# Altium PCB MB1404.PcbDoc (part 2 of 7) (continued)
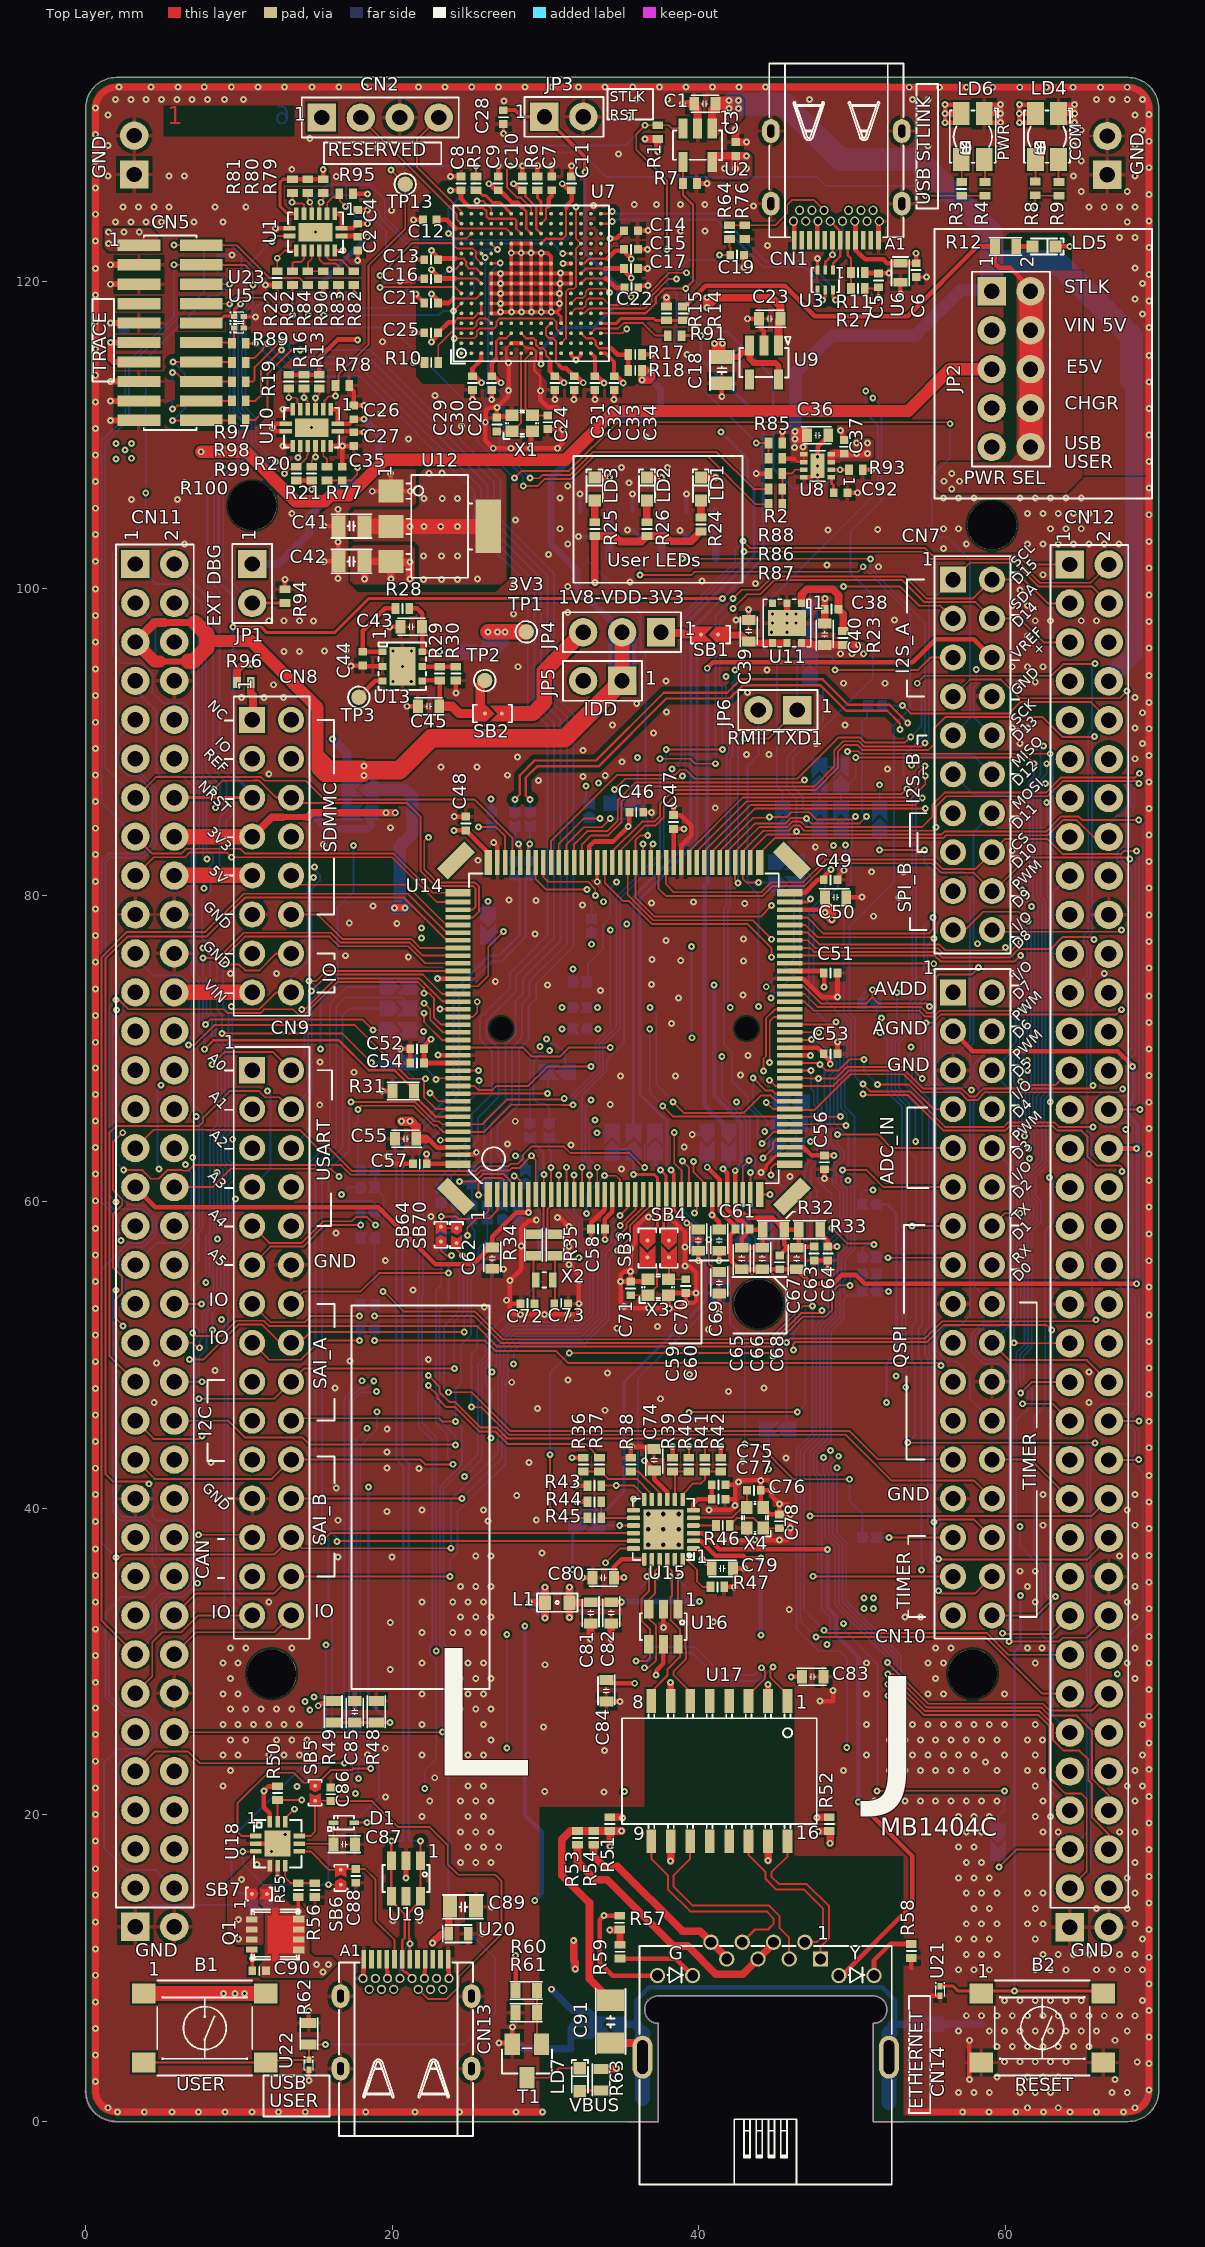
[diagram p0: Top Layer view]
## Part data (continued)
SB1 SB2 SB3 SB4 SB10 SB11 SB12 SB14 SB15 SB16 SB17 SB18 SB19 SB23 SB24 SB25 SB29 SB30 SB32 SB34 SB37 SB39 SB40 SB41 SB42 SB43 SB46 SB47 SB48 SB49 SB50 SB51 SB58 SB59 SB62 SB69 SB72 SB74 SB76 SB77: library part MCD-00071, "Solder Bridge ON", Manufacturer=YAGEO, Manufacturer_Part_Number=RC0603JR-070RL, Package=SB0603, ComponentLink1Description=Datasheet, ComponentLink1URL=http://tunmcdsvn.tun.st.com/Component_Datasheet_Library/Trunk/Resistors/Yageo_Resistor_RC0603-series, ECCN_EU=n/a, ECCN_US=n/a, Internal_Part_Number=MCD-00071, Part_Type=Mechanical, Provided_By=SUBCO, Status=Released
SB5 SB6 SB7 SB8 SB9 SB13 SB20 SB21 SB22 SB26 SB27 SB28 SB31 SB33 SB35 SB36 SB38 SB44 SB45 SB52 SB53 SB54 SB55 SB56 SB57 SB60 SB61 SB63 SB64 SB65 SB66 SB67 SB68 SB70 SB71 SB73 SB75 SB78 SB79 SB80 SB81 SB82 SB83 SB84: library part MCD-01618, "Solder Bridge 0402 ON", Manufacturer=YAGEO, Manufacturer_Part_Number=RC0402JR-070RL, Package=SB0402, ComponentLink1Description=Datasheet, ComponentLink1URL=http://tunmcdsvn.tun.st.com/Component_Datasheet_Library/Trunk/Resistors/Yageo_Resistor_RC0402-series, ECCN_EU=n/a, ECCN_US=n/a, Internal_Part_Number=MCD-01618, Part_Type=Mechanical, Provided_By=SUBCO, Status="Footprint available"
TP1 TP2 TP3 TP13: library part MCD-00074, "Test Point 1mm", Manufacturer=n/a, ComponentLink1Description=Datasheet, ComponentLink1URL=http://na, Internal_Part_Number=MCD-00074, Manufacturer_Part_Number=n/a, Part_Type=Mechanical, Provided_By=n/a, Status=Released
  TP1 TP2 TP3: ECCN_EU=n/a, ECCN_US=n/a
U1 U10: library part MCD-01945, "4-bit dual supply translating transceiver with configurable voltage translation; 3-state", Alternate_Manufacturer=N/A, Manufacturer=NEXPERIA, Manufacturer_Part_Number=74AVC4TD245BQ,115, Package=DHVQFN16, ComponentLink1URL="http://tunmcdsvn.tun.st.com/Component_Datasheet_Library/Trunk/IC/NEXPERIA_dual supply transceiver_74AVC4TD245", Internal_Part_Number=MCD-01945, Order_Code_Digikey=1727-6899-1-ND, Order_Code_Farnell=N/A, Order_Code_RS=N/A, Part_Preference=Recommended, Part_Type=IC, Status=Released
U2: library part MCD-00159, "500mA, Enhanced single channel power switches with active high enable pin", Alternate_Manufacturer="TEXAS INSTRUMENTS", Alternate_Manufacturer_Part_Number=TPS2051C, Manufacturer=STMICROELECTRONICS, BMS_Part_Number=9159009, ComponentLink1Description=Datasheet, ComponentLink1URL=http://tunmcdsvn.tun.st.com/Component_Datasheet_Library/Trunk/IC/STM_PWR-Switch_STMPS2151STR, Initial_Board_Reference=MB1264, Internal_Part_Number=MCD-00159, Manufacturer_Part_Number=STMPS2151STR, Part_Type=IC, Provided_By=Subcon, Status=Checked
U3: library part MCD-00649, "Common mode filter with ESD protection for USB 2.0 interface", Manufacturer=STMICROELECTRONICS, Manufacturer_HQ_COO=EU, BMS_Part_Number=9151138, Component_Country_Of_Origin=China, ComponentLink1URL=http://tunmcdsvn.tun.st.com/Component_Datasheet_Library/Trunk/Diodes/STM_ESD_ECMF02-2AMX6, ID=3094, Internal_Part_Number=MCD-00649, Manufacturer_Part_Number=ECMF02-2AMX6, Part_Preference=Recommended, Part_Type=Diode, ShowFields=YES, Status=Released
U4 U24: library part MCD-00136, "Dual Transil array for ESD protection", Manufacturer=STMICROELECTRONICS, Manufacturer_HQ_COO=EU, BMS_Part_Number=9151112, Component_Country_Of_Origin=China, ComponentLink1URL=http://tunmcdsvn.tun.st.com/Component_Datasheet_Library/Trunk/Diodes/STM_ESD_ESDALC6V1W5, Internal_Part_Number=MCD-00136, Manufacturer_Part_Number=ESDALC6V1W5, Part_Preference=Recommended, Part_Type=Diode, Status=Released
U5 U23: library part MCD-00170, "ESD protection 6V1", Manufacturer=STMICROELECTRONICS, Manufacturer_HQ_COO=EU, Manufacturer_Part_Number=ESDALC6V1-1U2, BMS_Part_Number=9151132, Component_Country_Of_Origin=China, ComponentLink1URL=http://tunmcdsvn.tun.st.com/Component_Datasheet_Library/Trunk/Diodes/STM_ESD_ESDALC6V1-1U2, ID=2696, Internal_Part_Number=MCD-00170, Part_Preference=Recommended, Part_Type=Diode, ShowFields=YES, Status=Released
U6 U20: library part MCD-01207, "High power Transient voltage suppressor:25V/35A EOS and ESD transients protection.", Manufacturer=STMICROELECTRONICS, Manufacturer_Part_Number=ESDA25P35-1U1M, Package=QFN1610, BMS_Part_Number=9179045, ComponentLink1Description=Datasheet, ComponentLink1URL=http://tunmcdsvn.tun.st.com/Component_Datasheet_Library/Trunk/Diodes/STM_ESD_ESDA25P35-1U1M, ECCN_EU=NEC, ECCN_US=EAR99, Internal_Part_Number=MCD-01207, Part_Type=Diode, Provided_By="SUBCO with ST control", Status=Checked
U7: library part MCD-02706, "MCU, Arm Cortex-M7 32-bit MCU, 512KB Flash, 276KB RAM, With Crypto", Manufacturer=STMICROELECTRONICS, Manufacturer_Part_Number=STM32F723IEK6, Package=BGA176, BMS_Part_Number=9175300, ComponentLink1URL=http://tunmcdsvn.tun.st.com/Component_Documentation_Library/IC/STMICROELECTRONICS_STM32F723IEK6, ID=4812, Internal_Part_Number=MCD-02706, Order_Code_Digikey=497-17186-ND, Order_Code_Farnell=2725149, Order_Code_RS=135-8241, Part_Preference=Recommended, Part_Type=IC, ShowFields=YES, Status=Checked
U8: library part MCD-02532, "eFuse with Fast Overvoltage Protection 2.7V to 18V 4A 34mOhm 8-Pin WSON", Manufacturer="TEXAS INSTRUMENTS", Package=WSON8, ComponentLink1URL=http://tunmcdsvn.tun.st.com/Component_Datasheet_Library/Trunk/IC/TI_eFuse_tps2595/TI_eFuse_tps2595.pdf, Internal_Part_Number=MCD-02532, Manufacturer_Part_Number=TPS259535DSG, Order_Code_Digikey=N/A, Order_Code_Farnell=NA, Order_Code_RS=NA, Part_Preference=Recommended, Part_Type=IC, Status=New
U9: library part MCD-02514, "LDO, 3.3V, 300mA, High input voltage: 2.5V to 28V, SOT23-5L", Alternate_Manufacturer=N/A, Manufacturer=STMICROELECTRONICS, Package=SOT23-5L, Alternate_Manufacturer_Part_Number=N/A, BMS_Part_Number=N/A, ComponentLink1URL=http://tunmcdsvn.tun.st.com/Component_Documentation_Library/Trunk/IC/STMICROELECTRONICS_ST730M33R, Internal_Part_Number=MCD-02514, Manufacturer_Part_Number=ST730M33R, Order_Code_Digikey=N/A, Order_Code_Farnell=N/A, Order_Code_RS=N/A, Part_Preference=Recommended, Part_Type=IC, Status=New
U11: library part MCD-01025, "LDO, 3.3V, 1.3A, Very low quiescent current BiCMOS voltage regulator", Manufacturer=STMICROELECTRONICS, Package=DFN6-3x3, BMS_Part_Number=9176246, ComponentLink1Description=Datasheet, ComponentLink1URL=http://tunmcdsvn.tun.st.com/Component_Datasheet_Library/Trunk/IC/STM_LDO_ST1L05CPU33R, ECCN_EU=NEC, ECCN_US=EAR99, Internal_Part_Number=MCD-01025, Manufacturer_Part_Number=ST1L05CPU33R, Part_Type=IC, Provided_By="SUBCO with ST control", Status=Released
U12: library part MCD-00088, "IC REG LDO 5V 0.8A SOT223", Manufacturer=STMICROELECTRONICS, Package=SOT-223, BMS_Part_Number=9176133, ComponentLink1Description=Datasheet, ComponentLink1URL=http://tunmcdsvn.tun.st.com/Component_Datasheet_Library/Trunk/IC/STM_LDO_LD1117, ECCN_EU=NEC, ECCN_US=EAR99, Internal_Part_Number=MCD-00088, Manufacturer_Part_Number=LD1117S50TR, Part_Type=IC, Provided_By="SUBCO with ST control", Status=Released
U13: library part MCD-00581, "LDO Linear Voltage Regulator IC Positive Adjustable 1 Output Adjustable 1.3A 6-DFN (3x3)", Manufacturer=STMICROELECTRONICS, Package="DFN6 (3x3)", BMS_Part_Number=9176239, ComponentLink1Description=Datasheet, ComponentLink1URL=http://tunmcdsvn.tun.st.com/Component_Datasheet_Library/Trunk/IC/STM_LDO_ST1L05BPUR, ECCN_EU=NEC, ECCN_US=EAR99, Internal_Part_Number=MCD-00581, Manufacturer_Part_Number=ST1L05BPUR, Part_Type=IC, Provided_By="SUBCO with ST control", Status=Released
U14: library part MCD-02359, "STM32H563ZIT6, LQFP144 package, 20x20", Manufacturer=STMICROELECTRONICS, Package=LQFP144, ComponentLink1Description=Datasheet, ComponentLink1URL=http://tunmcdsvn.tun.st.com/Component_Datasheet_Library/Trunk/IC/STM_STM32L552ZET6QU, Internal_Part_Number=MCD-02359, Manufacturer_Part_Number=STM32H563ZIT6, Part_Preference=Recommended, Part_Type=IC, Status=New
U15: library part MCD-00719, "10/100M RMII Ethernet transceiver", Manufacturer=MICROCHIP, ComponentLink1Description=Datasheet, ComponentLink1URL=http://tunmcdsvn.tun.st.com/Component_Datasheet_Library/Trunk/IC/MICROCHIP_LAN8742A_RMII_PHY, ECCN_EU=n/a, ECCN_US=n/a, Internal_Part_Number=MCD-00719, Manufacturer_Part_Number=LAN8742A-CZ-TR, Part_Type=IC, Provided_By=SUBCO, Status=Released
U16: library part MCD-00250, "Very low capacitance ESD protection , 4 lines", Manufacturer=STMICROELECTRONICS, BMS_Part_Number=9151001, ComponentLink1Description=Datasheet, ComponentLink1URL=http://tunmcdsvn.tun.st.com/Component_Datasheet_Library/Trunk/Diodes/STM_ESD_USBLC6-4SC6, ECCN_EU=NEC, ECCN_US=EAR99, Internal_Part_Number=MCD-00250, Manufacturer_Part_Number=USBLC6-4SC6, Part_Type=IC, Provided_By="SUBCO with ST control", Status=Released
U17: library part MCD-00718, "Discrete Magnetic Transformer Module, 16 pins, SMT, 100 Base-TX", Manufacturer="DONGGUAN KEYOUDA ELECTRONIC TECHNOLOGY", ComponentLink1Description=Datasheet, ComponentLink1URL=http://tunmcdsvn.tun.st.com/Component_Datasheet_Library/Trunk/IC/DGKYD_KMS-1102NL, ECCN_EU=n/a, ECCN_US=n/a, Internal_Part_Number=MCD-00718, Manufacturer_Part_Number=KMS-1102NL, Part_Type=IC, Provided_By=SUBCO, Status=Released
U18: library part MCD-01809, "USB Type-C Port Protection for USB Power Delivery, PPS compliant", Manufacturer=STMICROELECTRONICS, Package=QFN-12L, BMS_Part_Number=9151145, ComponentLink1Description=Datasheet, ComponentLink1URL=http://tunmcdsvn.tun.st.com/Component_Datasheet_Library/Trunk/IC/STM_UCPD_Protection_TCPP01-M12, ECCN_EU=NEC, ECCN_US=EAR99, Internal_Part_Number=MCD-01809, Manufacturer_Part_Number=TCPP01-M12, Part_Type=IC, Provided_By="SUBCO with ST control", Status=Checked
U19: library part MCD-00163, "Very low capacitance ESD protection", Manufacturer=STMICROELECTRONICS, BMS_Part_Number=9151075, ComponentLink1Description=Datasheet, ComponentLink1URL=http://tunmcdsvn.tun.st.com/Component_Datasheet_Library/Trunk/Diodes/STM_ESD_USBLC6-2, ECCN_EU=NEC, ECCN_US=EAR99, Internal_Part_Number=MCD-00163, Manufacturer_Part_Number=USBLC6-2SC6, Part_Type=IC, Provided_By="SUBCO with ST control", Status=Released
U21 U22: library part MCD-00170, "ESD protection 6V1", Manufacturer=STMICROELECTRONICS, Manufacturer_Part_Number=ESDALC6V1-1U2, BMS_Part_Number=9151132, ComponentLink1Description=Datasheet, ComponentLink1URL=http://tunmcdsvn.tun.st.com/Component_Datasheet_Library/Trunk/Diodes/STM_ESD_ESDALC6V1-1U2, ECCN_EU=NEC, ECCN_US=EAR99, Internal_Part_Number=MCD-00170, Part_Type=Diode, Provided_By="SUBCO with ST control", Status=Released
X1: library part MCD-01036, "Crystal, 24MHz, 6pF, +/-20ppm, 80R, 2x1.6mm", Manufacturer=NDK, Manufacturer_Part_Number=NX2016SA-24MHZ-EXS00A-CS10820, Package=2x1.6mm, BMS_Part_Number=9157045, Component_Country_Of_Origin=Unknown, ComponentLink1URL=http://tunmcdsvn.tun.st.com/Component_Documentation_Library/Trunk/Crytal_Oscillator/NDK_NX2016SA_Series, Internal_Part_Number=MCD-01036, Order_Code_Digikey=644-1365, Order_Code_Farnell=N/A, Order_Code_RS=N/A, Part_Preference=Recommended, Part_Type=Crystal_Osc, Status=Released
X2: library part MCD-02291, "Crystal, 32.768kHz, 9pF, +/-20ppm, 70KR, 1.6x1mm", Manufacturer=NDK, Manufacturer_Part_Number=NX1610SE-32.768KHZ-EXS00A-MU01499, Package=1.6x1mm, Component_Country_Of_Origin=Unknown, ComponentLink1URL="http://tunmcdsvn.tun.st.com/Component_Datasheet_Library/Trunk/Crystal_Osc/NDK_NX1610SE 32.768KHz EXS00A-MU01499", ID=4391, Internal_Part_Number=MCD-02291, Order_Code_Digikey=N/A, Order_Code_Farnell=N/A, Order_Code_RS=N/A, Part_Preference=Recommended, Part_Type=Crystal_Osc, ShowFields=YES, Status=Released
X3 X4: library part MCD-01364, "Crystal 25MHz, 6pF, +-20ppm, 80ohms max, SMD", Manufacturer=NDK, Manufacturer_Part_Number="NX2016SA 25MHz EXS00A-CS11321", Package=NX2016SA, BMS_Part_Number=9157044, ComponentLink1Description=Datasheet, ComponentLink1URL="http://tunmcdsvn.tun.st.com/Component_Datasheet_Library/Trunk/Crystal_Osc/NDK_NX2016SA 25MHz EXS00A-CS11321 (EXS10B-28187)", ECCN_EU=NEC, ECCN_US=EAR99, Internal_Part_Number=MCD-01364, Order_Code_Digikey=644-1367, Part_Type=Crystal_Osc, Provided_By=SUBCO, Status=Released

## Free pads (board coordinates)
  round 3.2 hole 3.2 unplated: 0(10.866,105.409) 0(12.136,29.209) 0(43.886,53.339) 0(57.856,29.209) 0(59.126,104.139)

## Via types
v1: diameter 0.45, hole 0.2, Top Layer to Bottom Layer, tented both sides, 1737 vias
v2: diameter 0.6, hole 0.3, Top Layer to Bottom Layer, tented both sides, 9 vias

## Nets (pads, with @x,y where several pads share a name; then routed paths per layer and width w, separated by ;. In a path a pad name is that pad's centre, name@x,y a point inside that pad or via, vN(x,y) a via of type N, cw(c..) or ccw(c..) an arc to the next point about the centre after c; other vN are vias at no path point)
1V8: JP4.3 SB2.2 | length 8.5
  Top Layer w0.6: 27.3,91.85 27.525,91.85
  Top Layer w1: 27.525,91.85 29.175,91.85 29.925,92.6 29.925,94.623 JP4.3@32.456,97.154
3V3: CN8.7 CN11.16 JP4.1 L1.2 R24.2 R25.2 R26.2 R63.2 SB1.2 SB11.1 SB25.1 SB26.1 TP1.1 | length 83.7
  Top Layer w0.4: 12.845,85.089 14.501,85.089
  Top Layer w0.5: CN8.7@10.866,83.819 12.136,85.089 12.845,85.089 ; 14.501,85.089 14.791,85.379 19.166,85.379 v1@20.2,85.379 ; v1(28.966,33.854) L1.2@29.966,33.854 ; v1(29.966,32.854) L1.2@29.966,33.854 ; v1(29.966,34.854) L1.2@29.966,33.854 ; v1(33.225,100.4) 33.216,100.409 R25.2@33.216,103.429 34.487,103.429 34.841,103.075 36.262,103.075 R26.2@36.616,103.429 37.771,103.429 38.121,103.079 39.491,103.079 R24.2@40.141,103.729 ; R63.2@33.625,3.425 33.65,3.45 v1(34.625,3.45) ; JP4.1@37.7,97.2 37.793,97.107 38.918,97.107 39.025,97 SB1.2@40.15,97
  Top Layer w1: CN11.16@5.786,83.819 CN8.7@10.866,83.819 ; v1(26.241,97.179) v1(26.866,97.179) v1(27.366,97.179) TP1.1@28.75,97.179
  Signal Layer 2 w0.5: v1(19.6,85.375) v1(20.2,85.375) ; v1(26.241,97.179) v1(26.866,97.179) v1(27.366,97.179) ; v1(28.966,33.854) 29.676,34.564 ; v1(28.966,33.854) 29.676,33.144 ; v1(28.966,33.854) 29.676,33.854 ; 29.676,33.144 v1(29.966,32.854) v1(29.966,34.854) 29.676,34.564 ; 29.676,33.144 29.676,33.854 ; 29.676,33.854 29.676,34.564
  Signal Layer 2 w1: CN11.16@5.786,83.819 CN8.7@10.866,83.819
  Signal Layer 3 w0.5: v1(19.6,85.375) v1(20.2,85.375) 21.1,86.275 v1(26.45,86.275) ; v1(26.241,97.179) v1(26.866,97.179) v1(27.366,97.179)
  Bottom Layer w0.3: v1(26.45,86.275) 26.475,86.25 SB26.1@26.475,85.425
  Bottom Layer w0.4: 12.845,85.089 14.281,85.089
  Bottom Layer w0.5: CN8.7@10.866,83.819 12.136,85.089 12.845,85.089 ; 14.281,85.089 15.011,85.089 15.775,84.325 18.4,84.325 18.6,84.525 18.6,85.2 SB25.1@18.425,85.375 v1(19.6,85.375) v1(20.2,85.375) ; SB11.1@25.941,95.879 26.254,95.879 ; 26.1,96.038 26.1,96.379 ; 26.1,96.379 26.866,97.145 v1(26.866,97.179) ; 26.1,96.379 26.1,97.038 v1(26.241,97.179) v1(26.866,97.179) ; 26.254,95.879 v1@27.366,96.991 ; 26.254,95.879 26.779,95.879 27.366,96.466 v1@27.366,96.991 ; v1(26.866,97.179) v1(27.366,97.179) v1@27.366,96.991 ; v1(28.966,33.854) 29.62,34.508 ; v1(28.966,33.854) 29.62,33.854 ; v1(28.966,33.854) 29.62,33.199 ; 29.62,33.199 29.62,33.854 ; 29.62,33.199 v1(29.966,32.854) 29.966,33.925 ; 29.62,33.854 29.62,34.508 ; 29.62,33.854 29.895,33.854 29.966,33.925 ; 29.62,34.508 v1(29.966,34.854) 29.966,33.925
3V3_STLK: C4.2 C8.1 C9.1 C10.1 C11.1 C13.1 C15.1 C16.1 C17.1 C21.1 C22.1 C23.2 C25.1 C26.2 C29.1 C30.1 C31.1 C32.1 C33.1 C34.1 CN2.1 JP1.1 LD4.4 LD6.4 R1.1 R10.2 R13.2 R16.2 R19.2 R79.1 R80.2 R81.2 R95.1 U1.1 U1.2 U1.7 U1.15 U7.C1 U7.C5 U7.C6 U7.C7 U7.C8 U7.C9 U7.F3 U7.G3 U7.G13 U7.H13 U7.J12 U7.J13 U7.K4 U7.N8 U7.N9 U7.N10 U7.P1 U7.R1 U9.1 U10.1 U10.2 | length 159.7
  Top Layer w0.15: 23.996,118.924 25.224,118.924 ; 24.016,117.379 24.271,117.634 25.299,117.634 25.619,117.954 U7.C5@25.816,117.954 ; 24.116,120.229 25.491,120.229 U7.C8@25.816,119.904 ; 24.141,121.529 24.644,121.529 24.836,121.336 24.836,121.059 25.016,120.879 25.491,120.879 U7.C9@25.816,120.554 ; 24.966,124.954 25.091,124.829 25.941,124.829 26.146,124.624 26.146,124.279 26.3,124.125 28,124.125 28.096,124.029 28.096,123.474 U7.G13@28.416,123.154 ; 25.225,118.925 25.224,118.924 ; U7.C6@25.816,118.604 25.816,117.984 U7.C5@25.825,117.975 ; U7.C7@25.825,119.25 25.812,119.25 25.486,118.924 25.224,118.924 ; 26.791,114.979 26.791,116.131 26.984,116.324 27.436,116.324 U7.F3@27.766,116.654 ; U7.G3@28.416,116.654 28.736,116.334 29.241,116.334 29.386,116.189 29.386,115.881 29.594,115.674 29.849,115.674 30.036,115.486 30.036,115.209 30.291,114.954 30.291,114.779 ; U7.J12@29.716,122.504 30.041,122.829 31.144,122.829 31.336,123.021 31.336,124.799 31.341,124.804 ; U7.K4@30.35,117.3 30.35,117.288 30.036,116.974 30.036,116.531 30.234,116.334 30.491,116.334 30.686,116.139 30.686,114.759 30.891,114.554 ; U7.N8@32.316,119.904 32.636,120.224 33.874,120.224 33.875,120.225 ; U7.N9@32.316,120.554 32.636,120.874 33.874,120.874 33.875,120.875 ; U7.N10@32.316,121.204 32.514,121.204 32.834,121.524 34.041,121.524
  Top Layer w0.16: 28.466,124.879 28.741,124.604 28.741,123.479 U7.H13@29.066,123.154 ; C10.1@28.491,125.979 28.501,125.979 28.676,125.804 28.676,125.599 29.391,124.884 29.391,123.479 U7.J13@29.716,123.154
  Top Layer w0.2: R81.2@13.525,126.675 R81.2@13.5,126.7 12.875,126.7 12.675,126.5 12.675,124.95 13.175,124.45 U1.7@13.75,124.45 ; U1.15@16.25,122.05 v1(16.8,122.05)
  Top Layer w0.25: U7.P1@32.966,115.354 33.225,115.095 C33.1@33.225,113.85 ; U7.R1@33.616,115.354 33.916,115.354 34.475,114.795 C34.1@34.475,113.85
  Top Layer w0.3: R19.2@13.25,113.95 R16.2@14.25,113.95 R13.2@15.225,113.95 ; R81.2@13.5,126.7 R80.2@14.5,126.7 ; R80.2@14.525,126.725 R80.2@14.5,126.7 ; R13.2@15.25,113.95 15.25,115.05 16.45,116.25 17.725,116.25 v1(17.75,116.225) ; v1(15.5,127.325) 15.5,126.725 R79.1@15.525,126.7 ; R79.1@15.55,126.675 R79.1@15.525,126.7 ; U10.2@16,111.7 16.274,111.7 16.45,111.524 U10.1@16.45,110.775 ; U1.2@16.25,124.45 16.524,124.45 16.7,124.274 U1.1@16.7,123.525 ; U10.1@16.45,110.75 17.194,110.75 17.37,110.926 17.37,110.945 17.475,111.05 C26.2@17.5,111.05 v1(18.15,111.05) ; U1.1@16.7,123.5 17.444,123.5 17.62,123.676 17.62,123.695 17.725,123.8 C4.2@17.75,123.8 v1(18.4,123.8) ; R95.1@17.45,125.75 v1(18.4,125.75) ; v1(21.375,114.75) R10.2@22.1,114.75 ; v1(22.562,116.083) 22.991,116.512 22.991,116.704 23.096,116.809 23.121,116.809 23.691,117.379 24.016,117.379 ; v1(22.562,119.225) 22.991,118.796 C21.1@22.991,118.629 23.701,118.629 23.996,118.924 ; v1(22.562,120.8) 22.991,120.371 C16.1@22.991,120.204 23.016,120.229 24.116,120.229 ; v1(22.562,122.05) 22.991,121.621 C13.1@22.991,121.454 23.066,121.529 24.141,121.529 ; v1(23.791,125.979) C8.1@24.491,125.979 24.491,125.429 24.966,124.954 ; U7.C1@25.816,115.354 25.816,114.929 25.241,114.354 C29.1@25.241,113.854 25.408,113.854 v1(25.837,113.425) ; v1(26.32,126.408) 26.749,125.979 C9.1@26.916,125.979 ; 26.791,114.979 26.491,114.679 C30.1@26.491,113.854 26.658,113.854 v1(27.087,113.425) ; C9.1@27.125,125.875 27.85,125.15 28.195,125.15 28.466,124.879 ; v1(27.92,126.408) C10.1@28.349,125.979 ; 30.291,114.779 30.291,114.179 C31.1@30.616,113.854 30.783,113.854 v1(31.212,113.425) ; 30.891,114.554 31.086,114.359 31.361,114.359 C32.1@31.866,113.854 32.033,113.854 v1(32.462,113.425) ; v1(31.095,126.408) 31.524,125.979 C11.1@31.691,125.979 31.691,125.899 31.716,125.874 31.716,125.316 31.341,124.941 31.341,124.804 ; C33.1@33.225,113.85 33.392,113.85 v1(33.821,113.421) ; 33.875,120.225 33.975,120.225 34.571,119.629 C22.1@35.15,119.629 ; 33.879,120.879 C17.1@35.125,120.879 ; 34.041,121.524 34.557,122.039 35.035,122.039 C15.1@35.125,122.129 35.23,122.024 35.23,121.873 v1(35.595,121.508) ; C34.1@34.475,113.85 34.642,113.85 v1(35.071,113.421) ; C22.1@35.145,119.624 35.166,119.604 35.166,119.437 v1(35.595,119.008) ; C17.1@35.166,120.854 35.166,120.687 v1(35.595,120.258) ; v1(56.065,130.979) v1@56.07,130.979 ; LD6.4@57.125,130.979 v1@56.07,130.979 ; LD6.4@57.13,130.389 v1(56.07,130.389) v1@56.07,130.979 ; LD6.4@57.13,131.564 v1(56.07,131.564) v1@56.07,130.979 ; v1(60.906,130.979) v1@60.911,130.979 ; LD4.4@61.966,130.979 v1@60.911,130.979 ; LD4.4@61.971,130.389 v1(60.911,130.389) v1@60.911,130.979 ; LD4.4@61.971,131.564 v1(60.911,131.564) v1@60.911,130.979 ; R80.2@14.5,126.7 R79.1@15.5,126.7 R79.1@15.525,126.7
  Top Layer w0.5: v1(36.498,129.324) 36.503,129.329 37.325,129.329 37.325,128.507 v1(37.33,128.502) ; 41.45,118.975 41.175,118.975 ; U9.1@45.2,116.175 45.2,117.468 C23.2@45.329,117.597 45.329,118.421 44.775,118.975 41.175,118.975 ; 56.541,131.004 56.566,131.029 ; 41.175,118.975 v1(40.525,118.325) v1(40.525,118.975) 41.175,118.975
  Signal Layer 2 w0.5: v1(31.095,126.408) 33.945,126.408 34.791,127.254 38.654,127.254 41.975,130.575 42.975,130.575 43.625,131.225 54.325,131.225 54.571,130.979 v1(56.065,130.979) ; v1(56.07,130.389) 57.436,130.389 58.225,129.6 60.125,129.6 v1@60.925,130.4
  Bottom Layer w0.5: JP1.1@10.866,101.599 12.574,101.599 14.575,103.6 14.575,104.725 16.775,106.925 17.975,106.925 19.125,108.075 19.125,110.075 v1(18.15,111.05)
5V: C40.2 CN8.9 CN11.18 JP2.2 JP2.4 JP2.6 JP2.8 JP2.10 R12.2 R14.2 R23.2 U11.6 | length 130.8
  Top Layer w0.3: R14.2@39,118.4 39.095,118.4 40.445,119.75 45.6,119.75 47.575,117.775 53.625,117.775 58.162,122.312 R12.2@59.313,122.312 59.313,121.213 59.6,120.925 60.3,120.925 61.641,119.584 JP2.2@61.641,119.394
  Top Layer w0.5: U11.6@46.7,96.45 47.275,96.45 47.4,96.325 C40.2@48.225,96.325 ; C40.2@48.216,96.329 R23.2@49.416,96.329 ; v1(50.425,96.325) R23.2@49.425,96.325 ; R23.2@49.416,96.329 49.42,96.325 R23.2@49.425,96.325 ; R23.2@49.416,96.329 49.421,96.329 R23.2@49.425,96.325
  Top Layer w1: CN11.18@5.786,81.279 5.802,81.295 10.85,81.295 CN8.9@10.866,81.279
  Top Layer w1.5: JP2.10@61.666,109.234 JP2.2@61.666,119.379
  Signal Layer 2 w1: CN11.18@5.786,81.279 5.802,81.295 10.85,81.295 CN8.9@10.866,81.279
  Signal Layer 2 w1.5: JP2.10@61.666,109.275 JP2.2@61.666,119.379
  Signal Layer 3 w0.4: 1.941,90.179 1.951,90.169 6.347,90.169 ; 2.685,87.629 7.416,87.629 7.441,87.654
  Signal Layer 3 w0.5: v1@1.941,108.45 1.941,90.179 1.941,88.054 2.366,87.629 2.685,87.629 ; v1(1.975,108.45) v1@2.025,108.5 ; v1@2.975,108.525 2.575,108.925 v1(2.575,109.05) ; 4.516,80.009 CN11.18@5.786,81.279 ; 6.347,90.169 6.726,90.169 7.416,89.479 7.416,87.629 7.416,82.909 CN11.18@5.786,81.279 ; 7.045,80.02 CN11.18@5.786,81.279 ; v1@2.025,108.5 v1(2.575,109.05) ; v1@2.025,108.5 v1(3,108.5) v1(3,109.475) v1(2.575,109.05)
  Signal Layer 3 w1.5: JP2.10@61.666,109.225 JP2.2@61.666,119.379
  Bottom Layer w1.5: JP2.10@61.666,109.234 JP2.2@61.666,119.379
  other v1: 49.25,95.75 50,95.75 50.75,95.75 56.5,106.5 56,107 57,107 56.5,107.5 1.975,109.475
5V_EXT: CN11.6 JP2.5 | length 78.7
  Top Layer w0.8: v1(7.525,108.925) v1(8.725,108.925) 10.475,108.925 13.7,105.7 15.612,105.7 15.987,106.075 17.2,106.075 19.525,108.4 31.3,108.4 34.484,111.584 53.659,111.584 56.389,114.314 JP2.5@59.101,114.314
  Signal Layer 3 w0.8: 7.541,98.274 7.541,107.704 ; 7.541,98.274 CN11.6@5.786,96.519 6.95,95.355 7.905,95.355 8.575,96.025 8.575,97.24 7.541,98.274 ; 7.541,107.704 7.541,108.904 8.741,108.904 7.541,107.704
5V_STLK: C1.2 C36.2 CN12.8 JP2.1 R2.1 U2.1 U8.5 U8.6 | length 86.7
  Top Layer w0.12: 46.225,108.475 46.45,108.25 U8.6@46.85,108.25 U8.5@46.85,108.75 U8.5@46.9,108.8
  Top Layer w0.3: R2.1@45.4,108.475 46.225,108.475
  Top Layer w0.508: U2.1@40.866,130.214 40.866,131.266 41.1,131.5 C1.2@41.1,131.625 ; C36.2@46.975,110.25 v1(46.275,110.25) v1(46.275,109.75) 46.925,109.75 C36.2@47.025,109.85 ; C1.2@41.166,131.434 41.166,131.816 41.451,131.816 41.46,131.825 v1(41.975,131.825) v1(41.975,131.325) 41.275,131.325 C1.2@41.166,131.434
  Bottom Layer w0.508: v1(41.975,131.325) v1(41.975,131.825)
  Bottom Layer w0.8: v1@46.3,109.775 46.3,114.1 48.7,116.5 54.114,116.5 57.095,119.48 59.013,119.48 59.014,119.48 JP2.1@59.101,119.394 ; 59.15,121.05 59.425,121.325
  Bottom Layer w1: 68.221,113.63 68.245,113.606
  Bottom Layer w1.2: CN12.8@66.746,93.954 66.746,94.13 68.391,95.775 68.391,113.484 68.25,113.625
  Bottom Layer w1.5: 42.15,131.6 45.625,131.6 49.25,127.975 ; 49.25,128 54.275,128 59.101,123.174 59.101,119.569 JP2.1@59.013,119.48 ; 59.425,121.325 63.35,121.325 68.23,116.445 68.23,114.041 68.221,114.032 68.221,113.63
  other v1: 46.25,109.2 46.8,109.225 42.6,131.325 42.6,131.825
5V_UCPD: JP2.9 Q1.1 Q1.2 Q1.3 R49.2 R60.1 SB7.1 U18.4 | length 3.4
  Top Layer w0.3: v1(15.175,27.125) 15.216,27.125 15.383,27.293 16.018,27.293 R49.2@16.15,27.425 ; R60.1@28.05,8.55 v1(28.05,10.825)
  other v1: 9.975,11.9 9.975,13.175 10.175,15.8 11.175,16.775 14.625,26.85 14.325,27.4 14.9,27.7 50.775,33.475 51.4,33.475 50.775,34.15 51.4,34.15
5V_VIN: C41.2 JP2.3 R96.2 U12.2 U12.4 | length 65
  Top Layer w0.5: R96.2@9.875,93.875 9.88,93.88 9.88,94.68 10.275,95.075 v1(10.825,95.075)
  Top Layer w1: C41.2@18.241,104.064 19.906,104.064 19.92,104.05 v1(22.075,104.05) 22.079,104.054 v1(23.166,104.054) 23.17,104.05 v1(24.25,104.05) 24.254,104.054 25.941,104.054 U12.4@26.266,104.054
  Signal Layer 2 w0.5: v1(10.825,95.075) 12.5,96.75 15.525,96.75 18.35,99.575 21.025,99.575 v1(22.05,100.6)
  Signal Layer 2 w1: v1@22.4,107.529 v1(23.241,107.529) ; 24.25,107.525 24.246,107.529 v1(23.241,107.529) ; JP2.3@59.05,116.825 53.675,111.45 44.075,111.45 41.475,108.85 34.1,108.85 33.504,108.254 25.054,108.254 24.329,107.529 v1(23.241,107.529)
  other v1: 23.216,100.604 24.25,100.6 25.566,100.629 22.05,102.125 23.216,102.129 24.25,102.125 21.15,104.05 22.075,105.875 23.266,105.879 24.25,105.875 22.4,107.525
AGND: C61.1 C65.2 C66.1 C67.2 C68.1 CN10.3 CN12.32 SB47.2 U14.31 | length 64.9
  Top Layer w0.3: v1(40.55,62.25) 41.366,61.434 U14.31@41.366,60.479 41.366,59.409 42.4,58.375 C61.1@42.4,58.225 42.4,58.175 42.05,57.825 42.05,56.2 42.65,55.6 C65.2@42.8,55.6 C66.1@44.15,55.6 C68.1@45.275,55.6 C67.2@46.4,55.6 47.341,54.659 48.421,54.659 48.76,54.659 49.327,55.225 50.25,55.225 50.816,54.659 55.716,54.659 68.541,54.659 v1(68.55,54.65) ; CN10.3@56.586,71.119 57.876,69.829 67.321,69.829 68.322,68.828 v1(68.303,68.828) ; CN12.32@66.746,63.474 68.555,63.474 68.556,63.475 v1(68.553,63.478)
  Bottom Layer w0.3: v1(40.55,62.25) SB47.2@40.55,63.3 ; v1(68.303,68.828) 68.391,68.741 68.391,66.68 68.04,66.329 68.04,65.616 68.631,65.025 68.631,63.556 v1(68.553,63.478) ; v1@68.549,63.474 v1(68.553,63.478) ; v1(68.55,54.65) 68.525,54.65 68.631,54.756 68.631,63.4 v1(68.553,63.478)
ARD_D0_RX: CN10.16 SB63.2 SB65.1 | length 9.4
  Signal Layer 2 w0.12: v1(52.375,54.15) 52.875,54.65 57.897,54.65 CN10.16@59.126,55.879
  Bottom Layer w0.12: SB63.2@51.65,55.275 51.575,55.2 SB65.1@51.575,54.175 52.35,54.175 v1(52.375,54.15)